# KiCad board poly_kb_molecule_16x5.kicad_pcb (continued)
## Placement (name value [footprint] x y rotation side) (continued)
kibuzzard-61EFABBF#4  G***  [kibuzzard-61EFABBF]  244.42 24.56 0 top
kibuzzard-61EFABBF#5  G***  [kibuzzard-61EFABBF]  168.22 81.71 0 top
kibuzzard-61EFABBF#6  G***  [kibuzzard-61EFABBF]  34.87 81.71 0 top
kibuzzard-61EFABBF#7  G***  [kibuzzard-61EFABBF]  130.12 43.61 0 top
kibuzzard-61EFABBF#8  G***  [kibuzzard-61EFABBF]  282.52 81.71 0 top
kibuzzard-61EFABBF#9  G***  [kibuzzard-61EFABBF]  301.57 5.51 0 top
kibuzzard-61EFABBF#10  G***  [kibuzzard-61EFABBF]  206.32 5.51 0 top
kibuzzard-61EFABBF#11  G***  [kibuzzard-61EFABBF]  34.87 5.51 0 top
kibuzzard-61EFABBF#12  G***  [kibuzzard-61EFABBF]  92.02 5.51 0 top
kibuzzard-61EFABBF#13  G***  [kibuzzard-61EFABBF]  92.02 62.66 0 top
kibuzzard-61EFABBF#14  G***  [kibuzzard-61EFABBF]  301.57 81.71 0 top
kibuzzard-61EFABBF#15  G***  [kibuzzard-61EFABBF]  53.92 43.61 0 top
kibuzzard-61EFABBF#16  G***  [kibuzzard-61EFABBF]  301.57 62.66 0 top
kibuzzard-61EFABBF#17  G***  [kibuzzard-61EFABBF]  244.42 43.61 0 top
kibuzzard-61EFABBF#18  G***  [kibuzzard-61EFABBF]  72.97 5.51 0 top
kibuzzard-61EFABBF#19  G***  [kibuzzard-61EFABBF]  225.37 62.66 0 top
kibuzzard-61EFABBF#20  G***  [kibuzzard-61EFABBF]  263.47 81.71 0 top
kibuzzard-61EFABBF#21  G***  [kibuzzard-61EFABBF]  15.82 43.61 0 top
kibuzzard-61EFABBF#22  G***  [kibuzzard-61EFABBF]  34.87 24.56 0 top
kibuzzard-61EFABBF#23  G***  [kibuzzard-61EFABBF]  244.42 62.66 0 top
kibuzzard-61EFABBF#24  G***  [kibuzzard-61EFABBF]  111.07 62.66 0 top
kibuzzard-61EFABBF#25  G***  [kibuzzard-61EFABBF]  282.52 5.51 0 top
kibuzzard-61EFABBF#26  G***  [kibuzzard-61EFABBF]  130.12 24.56 0 top
kibuzzard-61EFABBF#27  G***  [kibuzzard-61EFABBF]  206.32 24.56 0 top
kibuzzard-61EFABBF#28  G***  [kibuzzard-61EFABBF]  168.22 43.61 0 top
kibuzzard-61EFABBF#29  G***  [kibuzzard-61EFABBF]  149.17 62.66 0 top
kibuzzard-61EFABBF#30  G***  [kibuzzard-61EFABBF]  301.57 24.56 0 top
kibuzzard-61EFABBF#31  G***  [kibuzzard-61EFABBF]  92.02 81.71 0 top
kibuzzard-61EFABBF#32  G***  [kibuzzard-61EFABBF]  111.07 43.61 0 top
kibuzzard-61EFABBF#33  G***  [kibuzzard-61EFABBF]  282.52 24.56 0 top
kibuzzard-61EFABBF#34  G***  [kibuzzard-61EFABBF]  187.27 62.66 0 top
kibuzzard-61EFABBF#35  G***  [kibuzzard-61EFABBF]  53.92 81.71 0 top
kibuzzard-61EFABBF#36  G***  [kibuzzard-61EFABBF]  15.82 62.66 0 top
kibuzzard-61EFABBF#37  G***  [kibuzzard-61EFABBF]  187.27 43.61 0 top
kibuzzard-61EFABBF#38  G***  [kibuzzard-61EFABBF]  263.47 43.61 0 top
kibuzzard-61EFABBF#39  G***  [kibuzzard-61EFABBF]  149.17 24.56 0 top
kibuzzard-61EFABBF#40  G***  [kibuzzard-61EFABBF]  263.47 62.66 0 top
kibuzzard-61EFABBF#41  G***  [kibuzzard-61EFABBF]  72.97 62.66 0 top
kibuzzard-61EFABBF#42  G***  [kibuzzard-61EFABBF]  15.82 5.51 0 top
kibuzzard-61EFABBF#43  G***  [kibuzzard-61EFABBF]  111.07 24.56 0 top
kibuzzard-61EFABBF#44  G***  [kibuzzard-61EFABBF]  130.12 81.71 0 top
kibuzzard-61EFABBF#45  G***  [kibuzzard-61EFABBF]  263.47 5.51 0 top
kibuzzard-61EFABBF#46  G***  [kibuzzard-61EFABBF]  225.37 24.56 0 top
kibuzzard-61EFABBF#47  G***  [kibuzzard-61EFABBF]  282.52 43.61 0 top
kibuzzard-61EFABBF#48  G***  [kibuzzard-61EFABBF]  130.12 62.66 0 top
kibuzzard-61EFABBF#49  G***  [kibuzzard-61EFABBF]  206.32 81.71 0 top
kibuzzard-61EFABBF#50  G***  [kibuzzard-61EFABBF]  225.37 43.61 0 top
kibuzzard-61EFABBF#51  G***  [kibuzzard-61EFABBF]  187.27 81.71 0 top
kibuzzard-61EFABBF#52  G***  [kibuzzard-61EFABBF]  187.27 24.56 0 top
kibuzzard-61EFABBF#53  G***  [kibuzzard-61EFABBF]  206.32 62.66 0 top
kibuzzard-61EFABBF#54  G***  [kibuzzard-61EFABBF]  92.02 24.56 0 top
kibuzzard-61EFABBF#55  G***  [kibuzzard-61EFABBF]  187.27 5.51 0 top
kibuzzard-61EFABBF#56  G***  [kibuzzard-61EFABBF]  225.37 5.51 0 top
kibuzzard-61EFABBF#57  G***  [kibuzzard-61EFABBF]  168.22 5.51 0 top
kibuzzard-61EFABBF#58  G***  [kibuzzard-61EFABBF]  168.22 24.56 0 top
kibuzzard-61EFABBF#59  G***  [kibuzzard-61EFABBF]  72.97 43.61 0 top
kibuzzard-61EFABBF#60  G***  [kibuzzard-61EFABBF]  149.17 81.71 0 top
kibuzzard-61EFABBF#61  G***  [kibuzzard-61EFABBF]  53.92 62.66 0 top
kibuzzard-61EFABBF#62  G***  [kibuzzard-61EFABBF]  15.82 81.71 0 top
kibuzzard-61EFABBF#63  G***  [kibuzzard-61EFABBF]  206.32 43.61 0 top
kibuzzard-61EFABBF#64  G***  [kibuzzard-61EFABBF]  53.92 5.51 0 top
kibuzzard-61EFABBF#65  G***  [kibuzzard-61EFABBF]  34.87 62.66 0 top
kibuzzard-61EFABBF#66  G***  [kibuzzard-61EFABBF]  149.17 5.51 0 top
kibuzzard-61EFABBF#67  G***  [kibuzzard-61EFABBF]  244.42 81.71 0 top
kibuzzard-61EFABBF#68  G***  [kibuzzard-61EFABBF]  149.17 43.61 0 top
kibuzzard-61EFABBF#69  G***  [kibuzzard-61EFABBF]  34.87 43.61 0 top
kibuzzard-61EFABBF#70  G***  [kibuzzard-61EFABBF]  72.97 81.71 0 top
kibuzzard-61EFABBF#71  G***  [kibuzzard-61EFABBF]  282.52 62.66 0 top
kibuzzard-61EFABBF#72  G***  [kibuzzard-61EFABBF]  53.92 24.56 0 top
kibuzzard-61EFABBF#73  G***  [kibuzzard-61EFABBF]  111.07 5.51 0 top
kibuzzard-61EFABBF#74  G***  [kibuzzard-61EFABBF]  111.07 81.71 0 top
kibuzzard-61EFABBF#75  G***  [kibuzzard-61EFABBF]  168.22 62.66 0 top
kibuzzard-61EFABBF#76  G***  [kibuzzard-61EFABBF]  92.02 43.61 0 top
kibuzzard-61EFABBF#77  G***  [kibuzzard-61EFABBF]  301.57 43.61 0 top
kibuzzard-61EFABBF#78  G***  [kibuzzard-61EFABBF]  130.12 5.51 0 top
kibuzzard-61EFABBF#79  G***  [kibuzzard-61EFABBF]  244.42 5.51 0 top
kibuzzard-61EFABBF#80  G***  [kibuzzard-61EFABBF]  72.97 24.56 0 top
kibuzzard-61EFACF9  G***  [kibuzzard-61EFACF9]  129.51 51.59 0 top
kibuzzard-61EFACF9#2  G***  [kibuzzard-61EFACF9]  281.91 13.49 0 top
kibuzzard-61EFACF9#3  G***  [kibuzzard-61EFACF9]  34.26 13.49 0 top
kibuzzard-61EFACF9#4  G***  [kibuzzard-61EFACF9]  243.81 51.59 0 top
kibuzzard-61EFACF9#5  G***  [kibuzzard-61EFACF9]  205.71 89.69 0 top
kibuzzard-61EFACF9#6  G***  [kibuzzard-61EFACF9]  53.31 51.59 0 top
kibuzzard-61EFACF9#7  G***  [kibuzzard-61EFACF9]  53.31 89.69 0 top
kibuzzard-61EFACF9#8  G***  [kibuzzard-61EFACF9]  129.51 70.64 0 top
kibuzzard-61EFACF9#9  G***  [kibuzzard-61EFACF9]  243.81 89.69 0 top
kibuzzard-61EFACF9#10  G***  [kibuzzard-61EFACF9]  186.66 32.54 0 top
kibuzzard-61EFACF9#11  G***  [kibuzzard-61EFACF9]  281.91 51.59 0 top
kibuzzard-61EFACF9#12  G***  [kibuzzard-61EFACF9]  205.71 70.64 0 top
kibuzzard-61EFACF9#13  G***  [kibuzzard-61EFACF9]  186.66 70.64 0 top
kibuzzard-61EFACF9#14  G***  [kibuzzard-61EFACF9]  262.86 51.59 0 top
kibuzzard-61EFACF9#15  G***  [kibuzzard-61EFACF9]  300.96 51.59 0 top
kibuzzard-61EFACF9#16  G***  [kibuzzard-61EFACF9]  224.76 70.64 0 top
kibuzzard-61EFACF9#17  G***  [kibuzzard-61EFACF9]  53.31 32.54 0 top
kibuzzard-61EFACF9#18  G***  [kibuzzard-61EFACF9]  205.71 51.59 0 top
kibuzzard-61EFACF9#19  G***  [kibuzzard-61EFACF9]  262.86 70.64 0 top
kibuzzard-61EFACF9#20  G***  [kibuzzard-61EFACF9]  243.81 13.49 0 top
kibuzzard-61EFACF9#21  G***  [kibuzzard-61EFACF9]  129.51 89.69 0 top
kibuzzard-61EFACF9#22  G***  [kibuzzard-61EFACF9]  281.91 32.54 0 top
kibuzzard-61EFACF9#23  G***  [kibuzzard-61EFACF9]  148.56 70.64 0 top
kibuzzard-61EFACF9#24  G***  [kibuzzard-61EFACF9]  300.96 32.54 0 top
kibuzzard-61EFACF9#25  G***  [kibuzzard-61EFACF9]  148.56 51.59 0 top
kibuzzard-61EFACF9#26  G***  [kibuzzard-61EFACF9]  224.76 51.59 0 top
kibuzzard-61EFACF9#27  G***  [kibuzzard-61EFACF9]  167.61 32.54 0 top
kibuzzard-61EFACF9#28  G***  [kibuzzard-61EFACF9]  34.26 70.64 0 top
kibuzzard-61EFACF9#29  G***  [kibuzzard-61EFACF9]  167.61 13.49 0 top
kibuzzard-61EFACF9#30  G***  [kibuzzard-61EFACF9]  72.36 32.54 0 top
kibuzzard-61EFACF9#31  G***  [kibuzzard-61EFACF9]  110.46 70.64 0 top
kibuzzard-61EFACF9#32  G***  [kibuzzard-61EFACF9]  15.21 13.49 0 top
kibuzzard-61EFACF9#33  G***  [kibuzzard-61EFACF9]  224.76 32.54 0 top
kibuzzard-61EFACF9#34  G***  [kibuzzard-61EFACF9]  110.46 89.69 0 top
kibuzzard-61EFACF9#35  G***  [kibuzzard-61EFACF9]  148.56 32.54 0 top
kibuzzard-61EFACF9#36  G***  [kibuzzard-61EFACF9]  72.36 13.49 0 top
kibuzzard-61EFACF9#37  G***  [kibuzzard-61EFACF9]  300.96 13.49 0 top
kibuzzard-61EFACF9#38  G***  [kibuzzard-61EFACF9]  262.86 32.54 0 top
kibuzzard-61EFACF9#39  G***  [kibuzzard-61EFACF9]  262.86 89.69 0 top
kibuzzard-61EFACF9#40  G***  [kibuzzard-61EFACF9]  91.41 89.69 0 top
kibuzzard-61EFACF9#41  G***  [kibuzzard-61EFACF9]  34.26 89.69 0 top
kibuzzard-61EFACF9#42  G***  [kibuzzard-61EFACF9]  110.46 13.49 0 top
kibuzzard-61EFACF9#43  G***  [kibuzzard-61EFACF9]  34.26 51.59 0 top
kibuzzard-61EFACF9#44  G***  [kibuzzard-61EFACF9]  186.66 51.59 0 top
kibuzzard-61EFACF9#45  G***  [kibuzzard-61EFACF9]  224.76 13.49 0 top
kibuzzard-61EFACF9#46  G***  [kibuzzard-61EFACF9]  186.66 13.49 0 top
kibuzzard-61EFACF9#47  G***  [kibuzzard-61EFACF9]  281.91 89.69 0 top
kibuzzard-61EFACF9#48  G***  [kibuzzard-61EFACF9]  72.36 51.59 0 top
kibuzzard-61EFACF9#49  G***  [kibuzzard-61EFACF9]  91.41 70.64 0 top
kibuzzard-61EFACF9#50  G***  [kibuzzard-61EFACF9]  167.61 70.64 0 top
kibuzzard-61EFACF9#51  G***  [kibuzzard-61EFACF9]  148.56 89.69 0 top
kibuzzard-61EFACF9#52  G***  [kibuzzard-61EFACF9]  91.41 32.54 0 top
kibuzzard-61EFACF9#53  G***  [kibuzzard-61EFACF9]  224.76 89.69 0 top
kibuzzard-61EFACF9#54  G***  [kibuzzard-61EFACF9]  205.71 13.49 0 top
kibuzzard-61EFACF9#55  G***  [kibuzzard-61EFACF9]  243.81 70.64 0 top
kibuzzard-61EFACF9#56  G***  [kibuzzard-61EFACF9]  205.71 32.54 0 top
kibuzzard-61EFACF9#57  G***  [kibuzzard-61EFACF9]  15.21 89.69 0 top
kibuzzard-61EFACF9#58  G***  [kibuzzard-61EFACF9]  148.56 13.49 0 top
kibuzzard-61EFACF9#59  G***  [kibuzzard-61EFACF9]  300.96 89.69 0 top
kibuzzard-61EFACF9#60  G***  [kibuzzard-61EFACF9]  110.46 51.59 0 top
kibuzzard-61EFACF9#61  G***  [kibuzzard-61EFACF9]  300.96 70.64 0 top
kibuzzard-61EFACF9#62  G***  [kibuzzard-61EFACF9]  110.46 32.54 0 top
kibuzzard-61EFACF9#63  G***  [kibuzzard-61EFACF9]  15.21 51.59 0 top
kibuzzard-61EFACF9#64  G***  [kibuzzard-61EFACF9]  15.21 32.54 0 top
kibuzzard-61EFACF9#65  G***  [kibuzzard-61EFACF9]  15.21 70.64 0 top
kibuzzard-61EFACF9#66  G***  [kibuzzard-61EFACF9]  186.66 89.69 0 top
kibuzzard-61EFACF9#67  G***  [kibuzzard-61EFACF9]  53.31 13.49 0 top
kibuzzard-61EFACF9#68  G***  [kibuzzard-61EFACF9]  91.41 51.59 0 top
kibuzzard-61EFACF9#69  G***  [kibuzzard-61EFACF9]  167.61 51.59 0 top
kibuzzard-61EFACF9#70  G***  [kibuzzard-61EFACF9]  91.41 13.49 0 top
kibuzzard-61EFACF9#71  G***  [kibuzzard-61EFACF9]  129.51 13.49 0 top
kibuzzard-61EFACF9#72  G***  [kibuzzard-61EFACF9]  262.86 13.49 0 top
kibuzzard-61EFACF9#73  G***  [kibuzzard-61EFACF9]  281.91 70.64 0 top
kibuzzard-61EFACF9#74  G***  [kibuzzard-61EFACF9]  243.81 32.54 0 top
kibuzzard-61EFACF9#75  G***  [kibuzzard-61EFACF9]  72.36 70.64 0 top
kibuzzard-61EFACF9#76  G***  [kibuzzard-61EFACF9]  53.31 70.64 0 top
kibuzzard-61EFACF9#77  G***  [kibuzzard-61EFACF9]  129.51 32.54 0 top
kibuzzard-61EFACF9#78  G***  [kibuzzard-61EFACF9]  72.36 89.69 0 top
kibuzzard-61EFACF9#79  G***  [kibuzzard-61EFACF9]  167.61 89.69 0 top
kibuzzard-61EFACF9#80  G***  [kibuzzard-61EFACF9]  34.26 32.54 0 top
kibuzzard-61EFBE2C  G***  [kibuzzard-61EFBE2C]  269.93 62.66 0 top
kibuzzard-61EFBE2C#2  G***  [kibuzzard-61EFBE2C]  41.33 43.61 0 top
kibuzzard-61EFBE2C#3  G***  [kibuzzard-61EFBE2C]  117.53 81.71 0 top
kibuzzard-61EFBE2C#4  G***  [kibuzzard-61EFBE2C]  250.88 24.56 0 top
kibuzzard-61EFBE2C#5  G***  [kibuzzard-61EFBE2C]  136.58 43.61 0 top
kibuzzard-61EFBE2C#6  G***  [kibuzzard-61EFBE2C]  79.43 62.66 0 top
kibuzzard-61EFBE2C#7  G***  [kibuzzard-61EFBE2C]  136.58 62.66 0 top
kibuzzard-61EFBE2C#8  G***  [kibuzzard-61EFBE2C]  117.53 5.51 0 top
kibuzzard-61EFBE2C#9  G***  [kibuzzard-61EFBE2C]  269.93 24.56 0 top
kibuzzard-61EFBE2C#10  G***  [kibuzzard-61EFBE2C]  3.23 62.66 0 top
kibuzzard-61EFBE2C#11  G***  [kibuzzard-61EFBE2C]  22.28 43.61 0 top
kibuzzard-61EFBE2C#12  G***  [kibuzzard-61EFBE2C]  288.98 24.56 0 top
kibuzzard-61EFBE2C#13  G***  [kibuzzard-61EFBE2C]  3.23 5.51 0 top
kibuzzard-61EFBE2C#14  G***  [kibuzzard-61EFBE2C]  212.78 43.61 0 top
kibuzzard-61EFBE2C#15  G***  [kibuzzard-61EFBE2C]  60.38 5.51 0 top
kibuzzard-61EFBE2C#16  G***  [kibuzzard-61EFBE2C]  3.23 43.61 0 top
kibuzzard-61EFBE2C#17  G***  [kibuzzard-61EFBE2C]  98.48 81.71 0 top
kibuzzard-61EFBE2C#18  G***  [kibuzzard-61EFBE2C]  3.23 24.56 0 top
kibuzzard-61EFBE2C#19  G***  [kibuzzard-61EFBE2C]  231.83 81.71 0 top
kibuzzard-61EFBE2C#20  G***  [kibuzzard-61EFBE2C]  174.68 24.56 0 top
kibuzzard-61EFBE2C#21  G***  [kibuzzard-61EFBE2C]  155.63 81.71 0 top
kibuzzard-61EFBE2C#22  G***  [kibuzzard-61EFBE2C]  3.23 81.71 0 top
kibuzzard-61EFBE2C#23  G***  [kibuzzard-61EFBE2C]  117.53 24.56 0 top
kibuzzard-61EFBE2C#24  G***  [kibuzzard-61EFBE2C]  231.83 43.61 0 top
kibuzzard-61EFBE2C#25  G***  [kibuzzard-61EFBE2C]  155.63 24.56 0 top
kibuzzard-61EFBE2C#26  G***  [kibuzzard-61EFBE2C]  79.43 24.56 0 top
kibuzzard-61EFBE2C#27  G***  [kibuzzard-61EFBE2C]  250.88 5.51 0 top
kibuzzard-61EFBE2C#28  G***  [kibuzzard-61EFBE2C]  269.93 81.71 0 top
kibuzzard-61EFBE2C#29  G***  [kibuzzard-61EFBE2C]  212.78 24.56 0 top
kibuzzard-61EFBE2C#30  G***  [kibuzzard-61EFBE2C]  193.73 24.56 0 top
kibuzzard-61EFBE2C#31  G***  [kibuzzard-61EFBE2C]  98.48 62.66 0 top
kibuzzard-61EFBE2C#32  G***  [kibuzzard-61EFBE2C]  60.38 62.66 0 top
kibuzzard-61EFBE2C#33  G***  [kibuzzard-61EFBE2C]  174.68 81.71 0 top
kibuzzard-61EFBE2C#34  G***  [kibuzzard-61EFBE2C]  174.68 62.66 0 top
kibuzzard-61EFBE2C#35  G***  [kibuzzard-61EFBE2C]  79.43 81.71 0 top
kibuzzard-61EFBE2C#36  G***  [kibuzzard-61EFBE2C]  60.38 24.56 0 top
kibuzzard-61EFBE2C#37  G***  [kibuzzard-61EFBE2C]  288.98 43.61 0 top
kibuzzard-61EFBE2C#38  G***  [kibuzzard-61EFBE2C]  98.48 24.56 0 top
kibuzzard-61EFBE2C#39  G***  [kibuzzard-61EFBE2C]  231.83 5.51 0 top
kibuzzard-61EFBE2C#40  G***  [kibuzzard-61EFBE2C]  250.88 43.61 0 top
kibuzzard-61EFBE2C#41  G***  [kibuzzard-61EFBE2C]  41.33 62.66 0 top
kibuzzard-61EFBE2C#42  G***  [kibuzzard-61EFBE2C]  193.73 5.51 0 top
kibuzzard-61EFBE2C#43  G***  [kibuzzard-61EFBE2C]  250.88 62.66 0 top
kibuzzard-61EFBE2C#44  G***  [kibuzzard-61EFBE2C]  212.78 62.66 0 top
kibuzzard-61EFBE2C#45  G***  [kibuzzard-61EFBE2C]  193.73 81.71 0 top
kibuzzard-61EFBE2C#46  G***  [kibuzzard-61EFBE2C]  117.53 43.61 0 top
kibuzzard-61EFBE2C#47  G***  [kibuzzard-61EFBE2C]  155.63 5.51 0 top
kibuzzard-61EFBE2C#48  G***  [kibuzzard-61EFBE2C]  79.43 5.51 0 top
kibuzzard-61EFBE2C#49  G***  [kibuzzard-61EFBE2C]  136.58 5.51 0 top
kibuzzard-61EFBE2C#50  G***  [kibuzzard-61EFBE2C]  60.38 43.61 0 top
kibuzzard-61EFBE2C#51  G***  [kibuzzard-61EFBE2C]  41.33 24.56 0 top
kibuzzard-61EFBE2C#52  G***  [kibuzzard-61EFBE2C]  193.73 43.61 0 top
kibuzzard-61EFBE2C#53  G***  [kibuzzard-61EFBE2C]  231.83 62.66 0 top
kibuzzard-61EFBE2C#54  G***  [kibuzzard-61EFBE2C]  288.98 81.71 0 top
kibuzzard-61EFBE2C#55  G***  [kibuzzard-61EFBE2C]  193.73 62.66 0 top
kibuzzard-61EFBE2C#56  G***  [kibuzzard-61EFBE2C]  269.93 5.51 0 top
kibuzzard-61EFBE2C#57  G***  [kibuzzard-61EFBE2C]  212.78 5.51 0 top
kibuzzard-61EFBE2C#58  G***  [kibuzzard-61EFBE2C]  250.88 81.71 0 top
kibuzzard-61EFBE2C#59  G***  [kibuzzard-61EFBE2C]  136.58 81.71 0 top
kibuzzard-61EFBE2C#60  G***  [kibuzzard-61EFBE2C]  136.58 24.56 0 top
kibuzzard-61EFBE2C#61  G***  [kibuzzard-61EFBE2C]  231.83 24.56 0 top
kibuzzard-61EFBE2C#62  G***  [kibuzzard-61EFBE2C]  98.48 43.61 0 top
kibuzzard-61EFBE2C#63  G***  [kibuzzard-61EFBE2C]  174.68 43.61 0 top
kibuzzard-61EFBE2C#64  G***  [kibuzzard-61EFBE2C]  288.98 5.51 0 top
kibuzzard-61EFBE2C#65  G***  [kibuzzard-61EFBE2C]  174.68 5.51 0 top
kibuzzard-61EFBE2C#66  G***  [kibuzzard-61EFBE2C]  22.28 5.51 0 top
kibuzzard-61EFBE2C#67  G***  [kibuzzard-61EFBE2C]  155.63 43.61 0 top
kibuzzard-61EFBE2C#68  G***  [kibuzzard-61EFBE2C]  41.33 5.51 0 top
kibuzzard-61EFBE2C#69  G***  [kibuzzard-61EFBE2C]  79.43 43.61 0 top
kibuzzard-61EFBE2C#70  G***  [kibuzzard-61EFBE2C]  22.28 81.71 0 top
kibuzzard-61EFBE2C#71  G***  [kibuzzard-61EFBE2C]  22.28 24.56 0 top
kibuzzard-61EFBE2C#72  G***  [kibuzzard-61EFBE2C]  288.98 62.66 0 top
kibuzzard-61EFBE2C#73  G***  [kibuzzard-61EFBE2C]  269.93 43.61 0 top
kibuzzard-61EFBE2C#74  G***  [kibuzzard-61EFBE2C]  212.78 81.71 0 top
kibuzzard-61EFBE2C#75  G***  [kibuzzard-61EFBE2C]  155.63 62.66 0 top
kibuzzard-61EFBE2C#76  G***  [kibuzzard-61EFBE2C]  60.38 81.71 0 top
kibuzzard-61EFBE2C#77  G***  [kibuzzard-61EFBE2C]  98.48 5.51 0 top
kibuzzard-61EFBE2C#78  G***  [kibuzzard-61EFBE2C]  22.28 62.66 0 top
kibuzzard-61EFBE2C#79  G***  [kibuzzard-61EFBE2C]  41.33 81.71 0 top
kibuzzard-61EFBE2C#80  G***  [kibuzzard-61EFBE2C]  117.53 62.66 0 top
kibuzzard-61EFBE3D  G***  [kibuzzard-61EFBE3D]  79.53 41.63 0 top
kibuzzard-61EFBE3D#2  G***  [kibuzzard-61EFBE3D]  98.58 79.73 0 top
kibuzzard-61EFBE3D#3  G***  [kibuzzard-61EFBE3D]  193.83 41.63 0 top
kibuzzard-61EFBE3D#4  G***  [kibuzzard-61EFBE3D]  289.08 3.53 0 top
kibuzzard-61EFBE3D#5  G***  [kibuzzard-61EFBE3D]  155.73 22.58 0 top
kibuzzard-61EFBE3D#6  G***  [kibuzzard-61EFBE3D]  60.48 22.58 0 top
kibuzzard-61EFBE3D#7  G***  [kibuzzard-61EFBE3D]  136.68 3.53 0 top
kibuzzard-61EFBE3D#8  G***  [kibuzzard-61EFBE3D]  3.33 60.68 0 top
kibuzzard-61EFBE3D#9  G***  [kibuzzard-61EFBE3D]  250.98 3.53 0 top
kibuzzard-61EFBE3D#10  G***  [kibuzzard-61EFBE3D]  289.08 79.73 0 top
kibuzzard-61EFBE3D#11  G***  [kibuzzard-61EFBE3D]  289.08 41.63 0 top
kibuzzard-61EFBE3D#12  G***  [kibuzzard-61EFBE3D]  41.43 79.73 0 top
kibuzzard-61EFBE3D#13  G***  [kibuzzard-61EFBE3D]  22.38 41.63 0 top
kibuzzard-61EFBE3D#14  G***  [kibuzzard-61EFBE3D]  79.53 22.58 0 top
kibuzzard-61EFBE3D#15  G***  [kibuzzard-61EFBE3D]  270.03 3.53 0 top
kibuzzard-61EFBE3D#16  G***  [kibuzzard-61EFBE3D]  98.58 3.53 0 top
kibuzzard-61EFBE3D#17  G***  [kibuzzard-61EFBE3D]  174.78 79.73 0 top
kibuzzard-61EFBE3D#18  G***  [kibuzzard-61EFBE3D]  270.03 60.68 0 top
kibuzzard-61EFBE3D#19  G***  [kibuzzard-61EFBE3D]  155.73 60.68 0 top
kibuzzard-61EFBE3D#20  G***  [kibuzzard-61EFBE3D]  117.63 79.73 0 top
kibuzzard-61EFBE3D#21  G***  [kibuzzard-61EFBE3D]  289.08 22.58 0 top
kibuzzard-61EFBE3D#22  G***  [kibuzzard-61EFBE3D]  79.53 60.68 0 top
kibuzzard-61EFBE3D#23  G***  [kibuzzard-61EFBE3D]  193.83 79.73 0 top
kibuzzard-61EFBE3D#24  G***  [kibuzzard-61EFBE3D]  136.68 22.58 0 top
kibuzzard-61EFBE3D#25  G***  [kibuzzard-61EFBE3D]  3.33 22.58 0 top
kibuzzard-61EFBE3D#26  G***  [kibuzzard-61EFBE3D]  250.98 60.68 0 top
kibuzzard-61EFBE3D#27  G***  [kibuzzard-61EFBE3D]  289.08 60.68 0 top
kibuzzard-61EFBE3D#28  G***  [kibuzzard-61EFBE3D]  250.98 41.63 0 top
kibuzzard-61EFBE3D#29  G***  [kibuzzard-61EFBE3D]  117.63 41.63 0 top
kibuzzard-61EFBE3D#30  G***  [kibuzzard-61EFBE3D]  41.43 22.58 0 top
kibuzzard-61EFBE3D#31  G***  [kibuzzard-61EFBE3D]  41.43 41.63 0 top
kibuzzard-61EFBE3D#32  G***  [kibuzzard-61EFBE3D]  136.68 41.63 0 top
kibuzzard-61EFBE3D#33  G***  [kibuzzard-61EFBE3D]  136.68 79.73 0 top
kibuzzard-61EFBE3D#34  G***  [kibuzzard-61EFBE3D]  22.38 22.58 0 top
kibuzzard-61EFBE3D#35  G***  [kibuzzard-61EFBE3D]  231.93 60.68 0 top
kibuzzard-61EFBE3D#36  G***  [kibuzzard-61EFBE3D]  193.83 60.68 0 top
kibuzzard-61EFBE3D#37  G***  [kibuzzard-61EFBE3D]  22.38 60.68 0 top
kibuzzard-61EFBE3D#38  G***  [kibuzzard-61EFBE3D]  193.83 3.53 0 top
kibuzzard-61EFBE3D#39  G***  [kibuzzard-61EFBE3D]  212.88 3.53 0 top
kibuzzard-61EFBE3D#40  G***  [kibuzzard-61EFBE3D]  41.43 3.53 0 top
kibuzzard-61EFBE3D#41  G***  [kibuzzard-61EFBE3D]  79.53 3.53 0 top
kibuzzard-61EFBE3D#42  G***  [kibuzzard-61EFBE3D]  60.48 60.68 0 top
kibuzzard-61EFBE3D#43  G***  [kibuzzard-61EFBE3D]  270.03 22.58 0 top
kibuzzard-61EFBE3D#44  G***  [kibuzzard-61EFBE3D]  155.73 79.73 0 top
kibuzzard-61EFBE3D#45  G***  [kibuzzard-61EFBE3D]  3.33 3.53 0 top
kibuzzard-61EFBE3D#46  G***  [kibuzzard-61EFBE3D]  79.53 79.73 0 top
kibuzzard-61EFBE3D#47  G***  [kibuzzard-61EFBE3D]  250.98 79.73 0 top
kibuzzard-61EFBE3D#48  G***  [kibuzzard-61EFBE3D]  250.98 22.58 0 top
kibuzzard-61EFBE3D#49  G***  [kibuzzard-61EFBE3D]  174.78 60.68 0 top
kibuzzard-61EFBE3D#50  G***  [kibuzzard-61EFBE3D]  193.83 22.58 0 top
kibuzzard-61EFBE3D#51  G***  [kibuzzard-61EFBE3D]  212.88 22.58 0 top
kibuzzard-61EFBE3D#52  G***  [kibuzzard-61EFBE3D]  117.63 22.58 0 top
kibuzzard-61EFBE3D#53  G***  [kibuzzard-61EFBE3D]  60.48 79.73 0 top
kibuzzard-61EFBE3D#54  G***  [kibuzzard-61EFBE3D]  270.03 79.73 0 top
kibuzzard-61EFBE3D#55  G***  [kibuzzard-61EFBE3D]  174.78 3.53 0 top
kibuzzard-61EFBE3D#56  G***  [kibuzzard-61EFBE3D]  22.38 3.53 0 top
kibuzzard-61EFBE3D#57  G***  [kibuzzard-61EFBE3D]  155.73 41.63 0 top
kibuzzard-61EFBE3D#58  G***  [kibuzzard-61EFBE3D]  231.93 22.58 0 top
kibuzzard-61EFBE3D#59  G***  [kibuzzard-61EFBE3D]  174.78 22.58 0 top
kibuzzard-61EFBE3D#60  G***  [kibuzzard-61EFBE3D]  174.78 41.63 0 top
kibuzzard-61EFBE3D#61  G***  [kibuzzard-61EFBE3D]  117.63 60.68 0 top
kibuzzard-61EFBE3D#62  G***  [kibuzzard-61EFBE3D]  98.58 22.58 0 top
kibuzzard-61EFBE3D#63  G***  [kibuzzard-61EFBE3D]  231.93 3.53 0 top
kibuzzard-61EFBE3D#64  G***  [kibuzzard-61EFBE3D]  212.88 60.68 0 top
kibuzzard-61EFBE3D#65  G***  [kibuzzard-61EFBE3D]  212.88 79.73 0 top
kibuzzard-61EFBE3D#66  G***  [kibuzzard-61EFBE3D]  3.33 41.63 0 top
kibuzzard-61EFBE3D#67  G***  [kibuzzard-61EFBE3D]  155.73 3.53 0 top
kibuzzard-61EFBE3D#68  G***  [kibuzzard-61EFBE3D]  212.88 41.63 0 top
kibuzzard-61EFBE3D#69  G***  [kibuzzard-61EFBE3D]  98.58 60.68 0 top
kibuzzard-61EFBE3D#70  G***  [kibuzzard-61EFBE3D]  22.38 79.73 0 top
kibuzzard-61EFBE3D#71  G***  [kibuzzard-61EFBE3D]  98.58 41.63 0 top
kibuzzard-61EFBE3D#72  G***  [kibuzzard-61EFBE3D]  60.48 41.63 0 top
kibuzzard-61EFBE3D#73  G***  [kibuzzard-61EFBE3D]  136.68 60.68 0 top
kibuzzard-61EFBE3D#74  G***  [kibuzzard-61EFBE3D]  3.33 79.73 0 top
kibuzzard-61EFBE3D#75  G***  [kibuzzard-61EFBE3D]  270.03 41.63 0 top
kibuzzard-61EFBE3D#76  G***  [kibuzzard-61EFBE3D]  60.48 3.53 0 top
kibuzzard-61EFBE3D#77  G***  [kibuzzard-61EFBE3D]  231.93 79.73 0 top
kibuzzard-61EFBE3D#78  G***  [kibuzzard-61EFBE3D]  231.93 41.63 0 top
kibuzzard-61EFBE3D#79  G***  [kibuzzard-61EFBE3D]  117.63 3.53 0 top
kibuzzard-61EFBE3D#80  G***  [kibuzzard-61EFBE3D]  41.43 60.68 0 top
kibuzzard-61EFBE21  G***  [kibuzzard-61EFBE21]  117.17 26.59 0 top
kibuzzard-61EFBE21#2  G***  [kibuzzard-61EFBE21]  98.12 64.69 0 top
kibuzzard-61EFBE21#3  G***  [kibuzzard-61EFBE21]  98.12 83.74 0 top
kibuzzard-61EFBE21#4  G***  [kibuzzard-61EFBE21]  21.92 7.54 0 top
kibuzzard-61EFBE21#5  G***  [kibuzzard-61EFBE21]  117.17 83.74 0 top
kibuzzard-61EFBE21#6  G***  [kibuzzard-61EFBE21]  21.92 45.64 0 top
kibuzzard-61EFBE21#7  G***  [kibuzzard-61EFBE21]  79.07 26.59 0 top
kibuzzard-61EFBE21#8  G***  [kibuzzard-61EFBE21]  136.22 83.74 0 top
kibuzzard-61EFBE21#9  G***  [kibuzzard-61EFBE21]  231.47 83.74 0 top
kibuzzard-61EFBE21#10  G***  [kibuzzard-61EFBE21]  21.92 83.74 0 top
kibuzzard-61EFBE21#11  G***  [kibuzzard-61EFBE21]  288.62 45.64 0 top
kibuzzard-61EFBE21#12  G***  [kibuzzard-61EFBE21]  174.32 45.64 0 top
kibuzzard-61EFBE21#13  G***  [kibuzzard-61EFBE21]  288.62 26.59 0 top
kibuzzard-61EFBE21#14  G***  [kibuzzard-61EFBE21]  250.52 7.54 0 top
kibuzzard-61EFBE21#15  G***  [kibuzzard-61EFBE21]  212.42 83.74 0 top
kibuzzard-61EFBE21#16  G***  [kibuzzard-61EFBE21]  98.12 7.54 0 top
kibuzzard-61EFBE21#17  G***  [kibuzzard-61EFBE21]  174.32 64.69 0 top
kibuzzard-61EFBE21#18  G***  [kibuzzard-61EFBE21]  21.92 26.59 0 top
kibuzzard-61EFBE21#19  G***  [kibuzzard-61EFBE21]  117.17 64.69 0 top
kibuzzard-61EFBE21#20  G***  [kibuzzard-61EFBE21]  231.47 26.59 0 top
kibuzzard-61EFBE21#21  G***  [kibuzzard-61EFBE21]  155.27 64.69 0 top
kibuzzard-61EFBE21#22  G***  [kibuzzard-61EFBE21]  117.17 45.64 0 top
kibuzzard-61EFBE21#23  G***  [kibuzzard-61EFBE21]  155.27 26.59 0 top
kibuzzard-61EFBE21#24  G***  [kibuzzard-61EFBE21]  60.02 26.59 0 top
kibuzzard-61EFBE21#25  G***  [kibuzzard-61EFBE21]  288.62 64.69 0 top
kibuzzard-61EFBE21#26  G***  [kibuzzard-61EFBE21]  231.47 64.69 0 top
kibuzzard-61EFBE21#27  G***  [kibuzzard-61EFBE21]  269.57 26.59 0 top
kibuzzard-61EFBE21#28  G***  [kibuzzard-61EFBE21]  250.52 26.59 0 top
kibuzzard-61EFBE21#29  G***  [kibuzzard-61EFBE21]  60.02 83.74 0 top
kibuzzard-61EFBE21#30  G***  [kibuzzard-61EFBE21]  40.97 45.64 0 top
kibuzzard-61EFBE21#31  G***  [kibuzzard-61EFBE21]  212.42 7.54 0 top
kibuzzard-61EFBE21#32  G***  [kibuzzard-61EFBE21]  40.97 26.59 0 top
kibuzzard-61EFBE21#33  G***  [kibuzzard-61EFBE21]  269.57 64.69 0 top
kibuzzard-61EFBE21#34  G***  [kibuzzard-61EFBE21]  60.02 45.64 0 top
kibuzzard-61EFBE21#35  G***  [kibuzzard-61EFBE21]  193.37 83.74 0 top
kibuzzard-61EFBE21#36  G***  [kibuzzard-61EFBE21]  155.27 7.54 0 top
kibuzzard-61EFBE21#37  G***  [kibuzzard-61EFBE21]  79.07 83.74 0 top
kibuzzard-61EFBE21#38  G***  [kibuzzard-61EFBE21]  79.07 45.64 0 top
kibuzzard-61EFBE21#39  G***  [kibuzzard-61EFBE21]  40.97 64.69 0 top
kibuzzard-61EFBE21#40  G***  [kibuzzard-61EFBE21]  136.22 26.59 0 top
kibuzzard-61EFBE21#41  G***  [kibuzzard-61EFBE21]  79.07 64.69 0 top
kibuzzard-61EFBE21#42  G***  [kibuzzard-61EFBE21]  250.52 83.74 0 top
kibuzzard-61EFBE21#43  G***  [kibuzzard-61EFBE21]  136.22 64.69 0 top
